# Altium PCB PCB_UDC_PlacaControle_V2.0.PcbDoc (part 3 of 7) (continued)
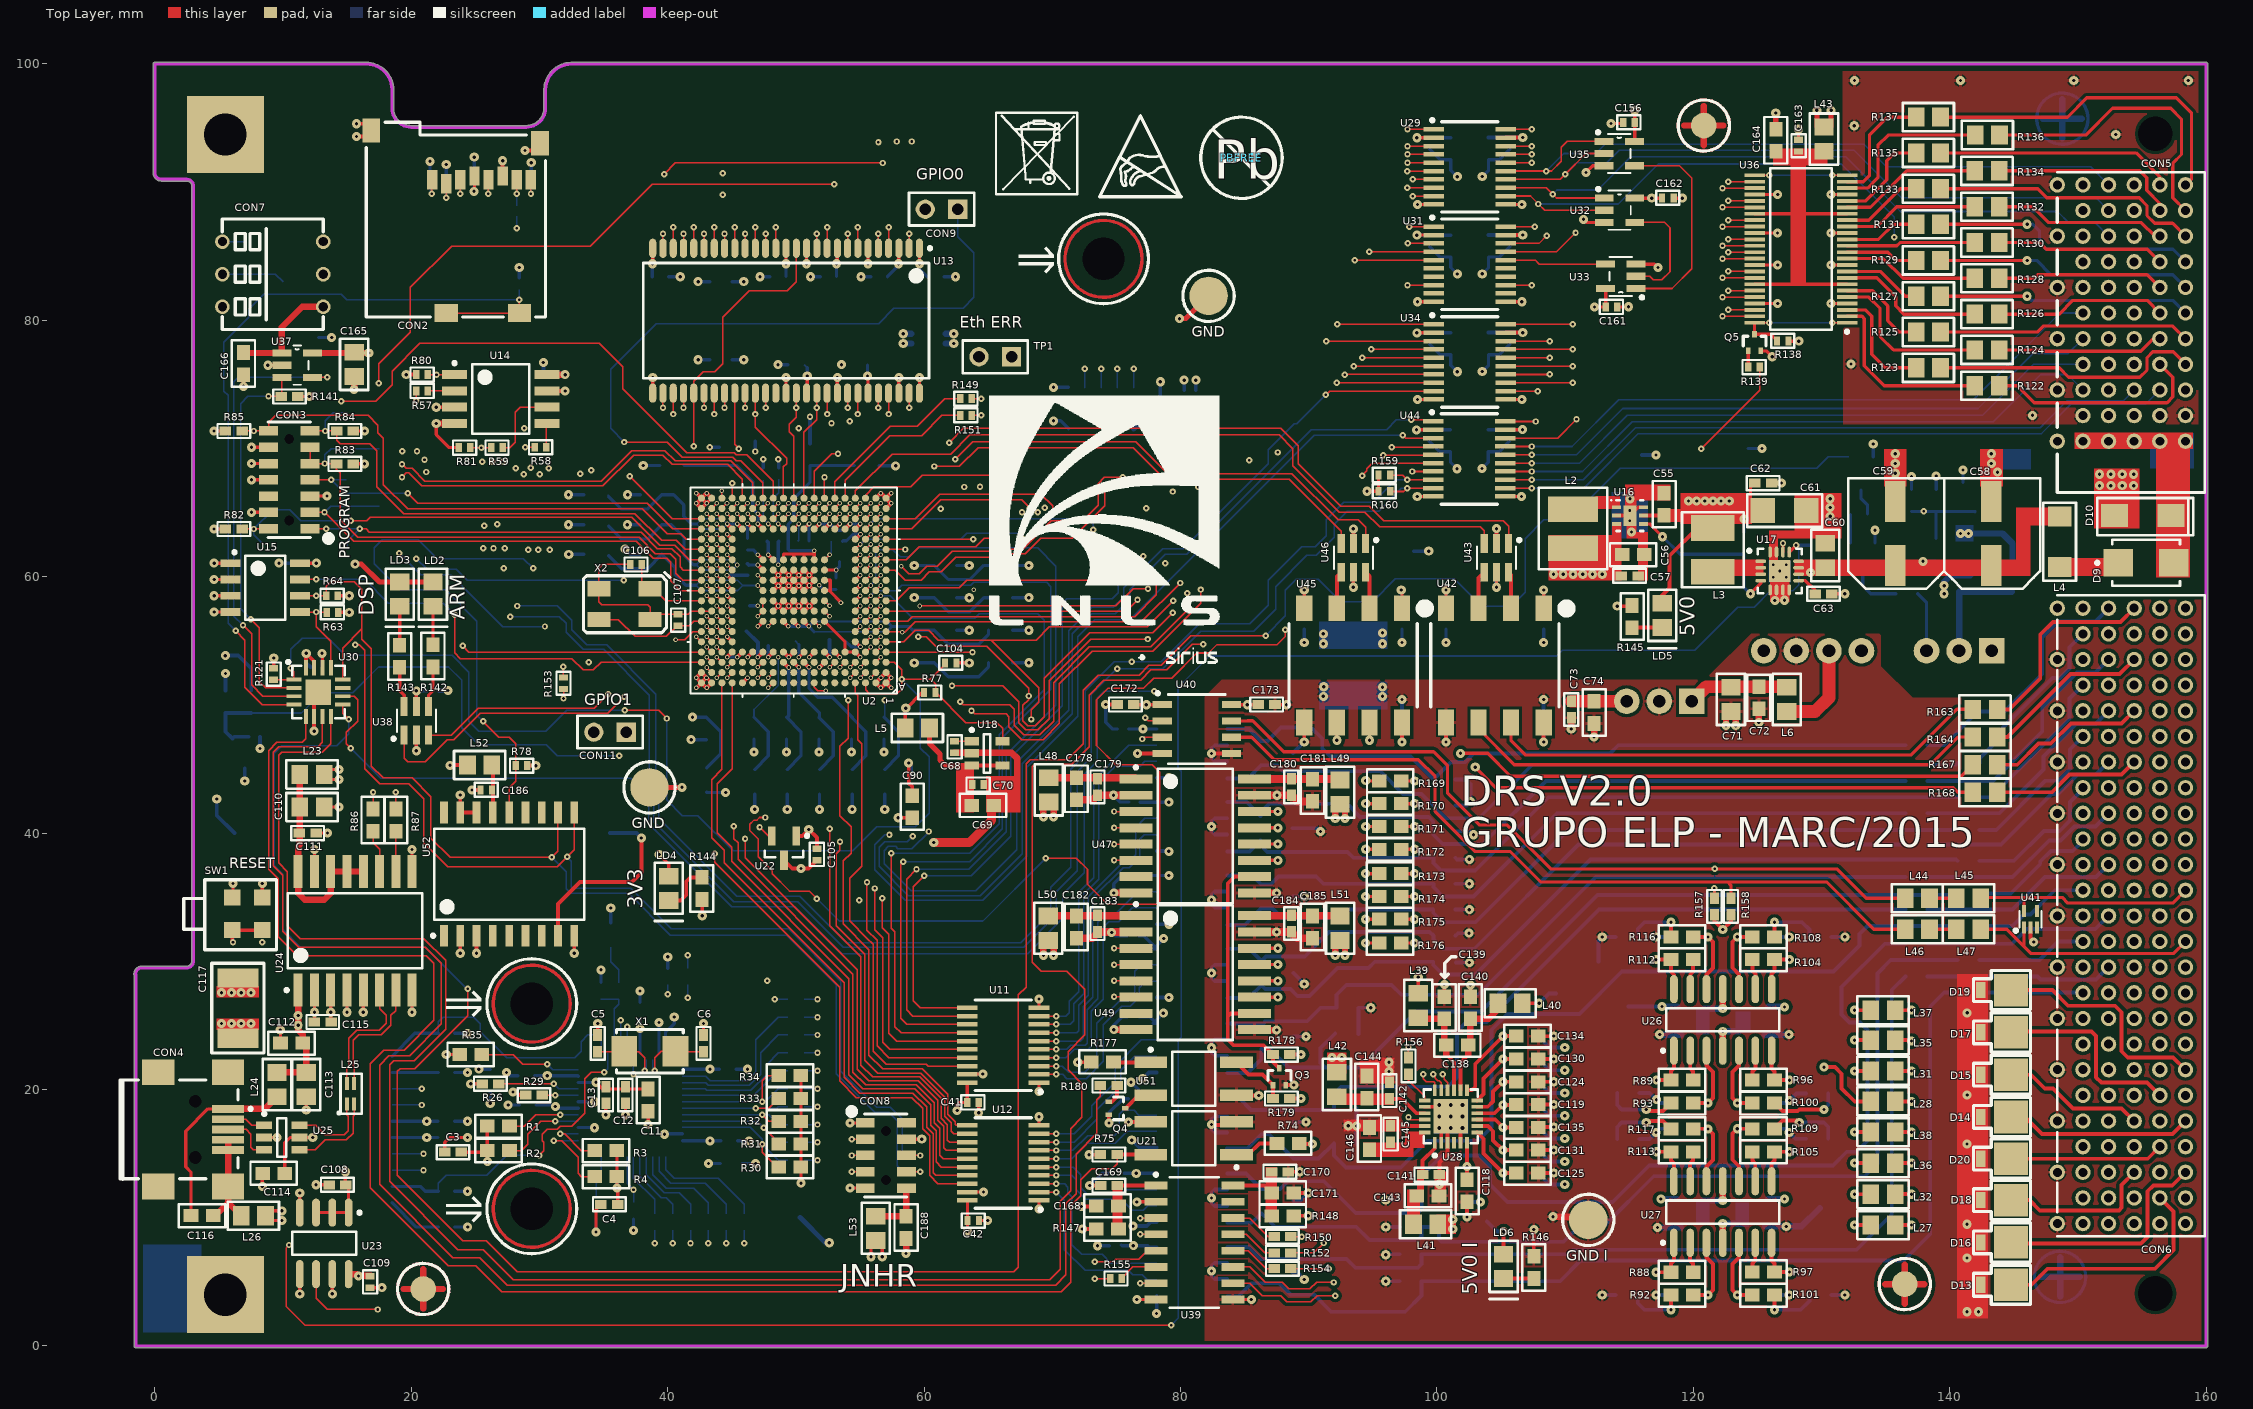
[diagram p0: Top Layer view]
## Nets (pads, with @x,y where several pads share a name; then routed paths per layer and width w, separated by ;. In a path a pad name is that pad's centre, name@x,y a point inside that pad or via, vN(x,y) a via of type N, cw(c..) or ccw(c..) an arc to the next point about the centre after c; other vN are vias at no path point) (continued)
  Bottom Layer w0.5: D8.3@88.779,5.842 D8.3@89.001,5.842 ; v1(89.662,28.233) v1@89.662,28.235 ; v1(117.221,9.239) C129.2@119.02,9.239 ; v1(117.383,24.287) C123.2@119.054,24.287 ; C122.1@125.577,24.287 v1(127.458,24.287) ; C128.1@125.603,9.327 v1(127.254,9.327) 128.453,9.327 pad.0@129.87,10.744
  other v1: 141.355,2.671 142.244,2.671 131.826,3.971 82.42,5.842 141.359,6.862 96.012,7.112 141.363,9.498 82.42,11.547 100.208,12.611 141.359,15.752 93.091,17.175 82.42,17.272 89.789,17.473 141.367,19.577 96.266,21.413 96.266,22.128 82.42,23.258 109.12,24.181 141.367,25.986 82.42,29.083 82.42,34.798 82.42,40.513 91.149,50.673 95.758,50.673 95.758,51.389 91.177,51.425
GND_OSC: C106.1 C107.1 U2.H18 U2.H19 X2.2 X2.4 | length 15.2
  Top Layer w0.102: C106.1@37.084,60.96 34.925,60.96 34.633,60.668 X2.2@34.633,59.064 34.633,58.051 34.874,57.81 38.43,57.81 38.633,57.607 38.633,57.074 C107.1@40.818,57.074 41.605,57.074 41.859,57.328 U2.H18@43.435,57.328
  Top Layer w0.3: X2.4@38.633,56.664 X2.4@38.633,57.074
GND_SH: CON1.Shield pad.SH
GPDI1: U3.7 U11.9 | length 27.4
  Top Layer w0.102: U11.9@68.967,25.734 v2(70.307,25.734)
  Bottom Layer w0.102: v2(70.307,25.734) 71.069,25.734 71.323,25.988 71.323,26.873 72.085,27.635 72.085,35.382 73.228,36.525 73.228,44.12 75.971,46.863 U3.7@78.149,46.863
GPDI1_ISO: CON6.D1 R39.2 | length 20.2
  Bottom Layer w0.3: R39.2@138.277,46.863 139.573,46.863 142.199,49.489 144.288,49.489 147.224,52.424 147.224,55.276 148.463,56.515 151.368,56.515 CON6.D1@152.4,57.547
GPDI1B: U2.J1 U11.11 | length 66.9
  Top Layer w0.102: U2.J1@57.035,58.128 57.823,58.128 58.826,59.131 62.738,59.131 63.348,59.741 v2(75.159,59.741) ; v2(60.02,36.678) 59.157,35.814 59.157,26.924 59.696,26.384 U11.11@63.367,26.384
  Bottom Layer w0.102: v2(60.02,36.678) 63.678,36.678 66.751,39.751 66.751,45.923 70.764,49.936 70.764,57.887 71.145,58.268 74.676,58.268 75.159,58.75 v2(75.159,59.741)
GPDI2: U3.6 U11.8 | length 27.4
  Top Layer w0.102: U11.8@68.967,25.084 v2(70.307,25.084)
  Bottom Layer w0.102: v2(70.307,25.084) 71.413,25.084 71.679,25.35 71.679,26.695 72.466,27.483 72.466,35.255 73.609,36.398 73.609,43.942 74.905,45.237 76.871,45.237 77.227,45.593 U3.6@78.149,45.593
GPDI2_ISO: CON6.E2 R41.2 | length 13.8
  Bottom Layer w0.3: R41.2@142.341,45.466 142.341,45.821 144.094,47.574 144.094,48.17 148.019,52.095 148.615,52.095 149.352,52.832 149.352,54.499 CON6.E2@150.4,55.547
GPDI2B: U2.K3 U11.12 | length 65.4
  Top Layer w0.102: U2.K3@55.435,58.928 v3(55.828,59.321) ; v2(59.411,37.186) 58.649,36.424 58.649,26.213 59.127,25.734 U11.12@63.367,25.734
  Bottom Layer w0.102: v3(55.828,59.321) 56.223,59.716 56.223,61.963 56.381,62.121 57.549,62.121 58.126,61.544 58.826,61.544 59.538,62.255 68.859,62.255 70.282,60.833 70.282,49.987 66.421,46.126 66.421,40.107 63.5,37.186 v2(59.411,37.186)
GPDI3: U4.7 U11.7 | length 23
  Top Layer w0.102: U11.7@68.967,24.434 v2(70.307,24.434)
  Bottom Layer w0.102: v2(70.307,24.434) 71.907,24.434 72.06,24.587 72.06,26.594 72.822,27.356 72.822,35.052 75.362,37.592 75.794,37.592 76.505,38.303 76.505,40.437 77.216,41.148 U4.7@78.149,41.148
GPDI3_ISO: CON6.D3 R40.2 | length 19.2
  Bottom Layer w0.3: R40.2@138.277,44.078 143.375,44.078 147.224,47.927 147.224,49.815 149.939,52.53 151.383,52.53 CON6.D3@152.4,53.547
GPDI3B: U2.J3 U11.13 | length 62.2
  Top Layer w0.102: U2.J3@55.435,58.128 v3(55.828,58.521) ; v2(58.369,37.77) 58.166,37.567 58.166,25.578 58.66,25.084 U11.13@63.367,25.084
  Bottom Layer w0.102: v3(55.828,58.521) 56.209,58.903 57.836,58.903 58.268,59.334 63.652,59.334 63.881,59.563 69.571,59.563 69.901,59.233 69.901,51.232 66.116,47.447 66.116,40.335 63.551,37.77 v2(58.369,37.77)
GPDI4: U4.6 U11.6 | length 22.6
  Top Layer w0.102: U11.6@68.967,23.784 v2(70.307,23.784)
  Bottom Layer w0.102: v2(70.307,23.784) 72.197,23.784 72.415,24.003 72.415,26.441 73.177,27.203 73.177,34.95 75.54,37.313 75.988,37.313 76.81,38.135 76.81,39.522 77.165,39.878 U4.6@78.149,39.878
GPDI4_ISO: CON6.E4 R42.2 | length 12.6
  Bottom Layer w0.3: R42.2@142.341,42.799 143.224,42.799 149.352,48.927 149.352,50.499 CON6.E4@150.4,51.547
GPDI4B: U2.J2 U11.14 | length 60.6
  Top Layer w0.102: U2.J2@56.235,58.128 v3(56.628,58.521) ; v2(57.455,38.43) 57.455,32.599 57.734,32.319 57.734,24.917 58.217,24.434 U11.14@63.367,24.434
  Bottom Layer w0.102: v3(56.628,58.521) 57.354,58.521 59.106,56.769 63.957,56.769 64.313,57.125 68.883,57.125 69.393,56.614 69.393,51.206 65.862,47.676 65.862,40.716 63.576,38.43 v2(57.455,38.43)
GPDI5: U5.7 U11.5 | length 19.3
  Top Layer w0.102: U11.5@68.967,23.134 v2(70.307,23.134)
  Bottom Layer w0.102: v2(70.307,23.134) 71.115,23.134 71.45,23.47 72.593,23.47 72.721,23.597 72.721,26.239 73.558,27.076 73.558,33.071 74.193,33.706 74.955,33.706 76.683,35.433 U5.7@78.149,35.433
GPDI5_ISO: CON6.D5 R43.2 | length 18
  Bottom Layer w0.3: R43.2@138.277,41.555 143.891,41.555 147.315,44.978 147.315,45.969 149.86,48.514 151.367,48.514 CON6.D5@152.4,49.547
GPDI5B: U2.B2 U11.15 | length 35.3
  Top Layer w0.102: v3(55.842,52.135) U2.B2@56.235,52.528 ; v2(56.744,34.925) 56.744,32.614 57.258,32.099 57.258,24.378 57.851,23.784 U11.15@63.367,23.784
  Signal 2 w0.102: v3(55.842,52.135) 55.842,49.619 56.286,49.174 56.286,36.881 56.744,36.424 v2(56.744,34.925)
GPDI6: U5.6 U11.4 | length 18.9
  Top Layer w0.102: U11.4@68.967,22.484 v2(70.307,22.484)
  Bottom Layer w0.102: v2(70.307,22.484) 71.049,22.484 71.704,23.139 72.796,23.139 73.05,23.393 73.05,26.111 73.965,27.026 73.965,32.639 74.422,33.096 75.184,33.096 76.251,34.163 U5.6@78.149,34.163
GPDI6_ISO: CON6.E6 R45.2 | length 12
  Bottom Layer w0.3: R45.2@142.341,40.259 143.637,40.259 147.473,44.095 148.473,44.095 149.403,45.025 149.403,46.55 CON6.E6@150.4,47.547
GPDI6B: U2.C3 U11.16 | length 37.4
  Top Layer w0.102: v3(55.042,52.935) U2.C3@55.435,53.328 ; v2@56.109,35.636 v2(56.159,35.687) 56.159,32.461 56.769,31.852 56.769,23.685 57.319,23.134 U11.16@63.367,23.134
  Signal 2 w0.102: v3(55.042,52.935) 55.435,52.542 55.435,49.442 55.931,48.946 55.931,36.652 56.159,36.424 v2(56.159,35.687)
GPDI7: U6.7 U11.3 | length 15.6
  Top Layer w0.102: U11.3@68.967,21.834 v2(70.307,21.834)
  Bottom Layer w0.102: v2(70.307,21.834) 70.774,21.834 71.272,21.336 72.517,21.336 73.482,22.301 73.482,25.171 75.209,26.899 75.971,26.899 76.454,27.381 76.454,29.235 76.937,29.718 U6.7@78.149,29.718
GPDI7_ISO: CON6.D7 R44.2 | length 16.8
  Bottom Layer w0.3: R44.2@138.302,39.116 144.018,39.116 147.955,43.053 148.463,43.053 149.987,44.577 151.43,44.577 CON6.D7@152.4,45.547
GPDI7B: U2.B3 U11.17 | length 37.2
  Top Layer w0.102: v3(55.042,52.135) U2.B3@55.435,52.528 ; v2(55.55,36.17) 55.55,32.436 56.337,31.648 56.337,23.405 57.258,22.484 U11.17@63.367,22.484
  Signal 2 w0.102: v3(55.042,52.135) 55.042,49.186 55.55,48.678 v2(55.55,36.17)
GPDI8: U6.6 U11.2 | length 14.6
  Top Layer w0.102: U11.2@68.967,21.184 v2(70.307,21.184)
  Bottom Layer w0.102: v2(70.307,21.184) 70.815,21.184 71.145,20.853 72.648,20.853 73.99,22.196 73.99,25.07 75.413,26.492 76.073,26.492 76.77,27.189 76.77,27.951 77.267,28.448 U6.6@78.149,28.448
GPDI8_ISO: CON6.E8 R46.2 | length 11.3
  Bottom Layer w0.3: R46.2@142.341,37.846 145.034,37.846 147.371,40.183 148.591,40.183 149.403,40.994 149.403,42.441 150.4,43.438 CON6.E8@150.4,43.547
GPDI8B: U2.A4 U11.18 | length 37.9
  Top Layer w0.102: U2.A4@54.635,51.728 54.635,50.928 54.813,50.749 54.813,47.295 55.143,46.965 55.143,37.414 54.204,36.474 54.204,33.158 55.55,31.812 56.032,31.33 56.032,22.987 57.048,21.971 60.173,21.971 60.309,21.834 U11.18@63.367,21.834
GPDI9: U7.7 U12.9 | length 13.4
  Top Layer w0.102: U12.9@68.967,16.55 v2(70.307,16.55)
  Bottom Layer w0.102: v2(70.307,16.55) 71.719,16.55 73.076,17.907 73.076,18.728 74.905,20.557 74.905,21.819 76.962,23.876 U7.7@78.149,23.876
GPDI9_ISO: CON6.D9 R47.2 | length 16.2
  Bottom Layer w0.3: R47.2@138.277,36.576 144.907,36.576 147.767,39.436 148.656,39.436 149.742,40.522 151.375,40.522 CON6.D9@152.4,41.547
GPDI9B: U2.C4 U12.11 | length 43.8
  Top Layer w0.102: v2(54.077,50.38) 54.077,47.396 53.442,46.761 53.442,41.351 54.305,40.488 54.305,38.443 53.696,37.833 53.696,32.918 55.702,30.912 55.702,22.682 56.769,21.615 59.868,21.615 61.849,19.634 61.849,18.085 62.433,17.501 62.433,17.297 62.531,17.2 U12.11@63.367,17.2 ; v3(54.242,52.935) U2.C4@54.635,53.328
  Signal 1 w0.102: v2(54.077,50.38) 54.077,51.435 53.823,51.689 53.823,52.516 v3(54.242,52.935)
GPDI10: U7.6 U12.8 | length 13.1
  Top Layer w0.102: U12.8@68.967,15.9 v2(70.307,15.9)
  Bottom Layer w0.102: v2(70.307,15.9) 71.704,15.9 73.482,17.678 73.482,18.415 75.336,20.269 75.336,21.514 76.429,22.606 U7.6@78.149,22.606
GPDI10_ISO: CON6.E10 R49.2 | length 10
  Bottom Layer w0.3: R49.2@142.341,35.306 144.77,35.306 147.073,37.609 147.073,37.784 147.897,38.608 149.606,38.608 150.4,39.402 CON6.E10@150.4,39.547
GPDI10B: U2.C5 U12.12 | length 43.9
  Top Layer w0.102: v2(53.442,39.319) 53.442,38.672 53.162,38.392 53.162,32.779 55.372,30.569 55.372,22.29 56.377,21.285 59.728,21.285 61.608,19.406 61.608,17.92 62.128,17.399 62.128,16.739 62.317,16.55 U12.12@63.367,16.55 ; v3(53.442,52.935) U2.C5@53.835,53.328
  Signal 2 w0.102: v2(53.442,39.319) v3(53.442,52.935)
GPDI11: U8.7 U12.7 | length 11.4
  Top Layer w0.102: U12.7@68.967,15.25 v2(70.307,15.25)
  Bottom Layer w0.102: v2(70.307,15.25) 71.612,15.25 72.771,16.408 74.828,16.408 75.209,16.789 75.209,18.059 75.54,18.39 76.378,18.39 76.759,18.009 U8.7@78.136,18.009
GPDI11_ISO: CON6.D11 R48.2 | length 15.6
  Bottom Layer w0.3: R48.2@138.277,34.05 144.915,34.05 147.441,36.576 151.429,36.576 CON6.D11@152.4,37.547
GPDI11B: U2.C6 U12.13 | length 45
  Top Layer w0.102: v2(52.642,40.361) 52.642,32.779 55.079,30.342 55.079,21.883 55.982,20.98 59.665,20.98 61.328,19.317 61.328,17.767 61.824,17.272 61.824,16.066 61.989,15.9 U12.13@63.367,15.9 ; v3(52.642,52.935) U2.C6@53.035,53.328
  Signal 2 w0.102: v2(52.642,40.361) v3(52.642,52.935)
GPDI12: U8.6 U12.6 | length 10.1
  Top Layer w0.102: U12.6@68.967,14.6 v2(70.307,14.6)
  Bottom Layer w0.102: v2(70.307,14.6) 71.521,14.6 72.746,15.824 74.93,15.824 75.844,16.739 U8.6@78.136,16.739
GPDI12_ISO: CON6.E12 R50.2 | length 9.2
  Bottom Layer w0.3: R50.2@142.341,32.766 144.915,32.766 145.804,33.655 146.306,33.655 148.198,35.547 CON6.E12@150.4,35.547
GPDI12B: U2.C16 U12.14 | length 49.2
  Top Layer w0.102: v3(44.642,52.935) U2.C16@45.035,53.328 ; v2(46.037,39.573) 46.037,38.088 54.788,29.337 54.788,21.59 55.702,20.676 59.538,20.676 61.062,19.152 61.062,17.602 61.519,17.145 61.519,15.469 61.738,15.25 U12.14@63.367,15.25
  Signal 2 w0.102: v3(44.642,52.935) 45.085,52.491 45.085,44.399 45.517,43.967 45.517,41.224 46.037,40.704 v2@46.037,39.547
GPDI13: U9.7 U12.5 | length 10.8
  Top Layer w0.102: U12.5@68.967,13.95 v2(70.307,13.95)
  Bottom Layer w0.102: v2(70.307,13.95) 71.633,13.95 72.212,13.37 72.212,12.344 72.721,11.836 75.389,11.836 75.745,12.192 U9.7@78.149,12.192
GPDI13_ISO: CON6.D13 R51.2 | length 15
  Bottom Layer w0.3: R51.2@138.273,31.369 144.871,31.369 146.014,32.512 151.365,32.512 CON6.D13@152.4,33.547
GPDI13B: U2.B16 U12.15 | length 49.3
  Top Layer w0.102: v3(44.642,52.135) U2.B16@45.035,52.528 ; v2(45.161,40.538) 45.161,39.573 45.491,39.243 45.491,37.973 54.458,29.007 54.458,21.361 55.448,20.371 59.411,20.371 60.808,18.974 60.808,17.424 61.239,16.992 61.239,14.859 61.499,14.6 U12.15@63.367,14.6
  Signal 2 w0.102: v3(44.642,52.135) 44.642,44.246 45.161,43.727 v2(45.161,40.538)
GPDI14: U9.6 U12.4 | length 10.9
  Top Layer w0.102: U12.4@68.967,13.3 v2(70.307,13.3)
  Bottom Layer w0.102: v2(70.307,13.3) 71.536,13.3 71.857,12.979 71.857,12.167 72.595,11.428 75.389,11.428 76.225,10.592 77.114,10.592 77.445,10.922 U9.6@78.149,10.922
GPDI14_ISO: CON6.E14 R53.2 | length 8.7
  Bottom Layer w0.3: R53.2@142.341,30.099 147.015,30.099 148.463,31.547 CON6.E14@150.4,31.547
GPDI14B: U2.A16 U12.16 | length 49.9
  Top Layer w0.102: U2.A16@45.035,51.728 45.035,45.035 43.866,43.866 43.866,40.03 44.983,38.913 44.983,37.795 54.127,28.651 54.127,21.158 55.22,20.066 59.284,20.066 60.528,18.821 60.528,17.221 60.96,16.789 60.96,14.351 61.361,13.95 U12.16@63.367,13.95
GPDI15: U10.7 U12.3 | length 14.2
  Top Layer w0.102: U12.3@68.967,12.65 v2(70.307,12.65)
  Bottom Layer w0.102: v2(70.307,12.65) 70.967,12.65 71.222,12.395 71.222,11.946 71.521,11.646 71.521,7.905 72.288,7.137 73.889,7.137 74.575,6.451 U10.7@78.149,6.451
GPDI15_ISO: CON6.D15 R52.2 | length 14.6
  Bottom Layer w0.3: R52.2@138.273,28.829 146.843,28.829 147.097,28.575 151.428,28.575 CON6.D15@152.4,29.547
GPDI15B: U2.A17 U12.17 | length 50.9
  Top Layer w0.102: U2.A17@44.235,51.728 44.235,44.971 43.434,44.171 43.434,39.624 44.399,38.659 44.399,37.694 53.772,28.321 53.772,20.949 54.989,19.732 59.135,19.732 60.198,18.669 60.198,17.069 60.706,16.561 60.706,13.513 60.919,13.3 U12.17@63.367,13.3
GPDI16: U10.6 U12.2 | length 14.3
  Top Layer w0.102: U12.2@68.967,12 v2(70.307,12)
  Bottom Layer w0.102: v2(70.307,12) 70.942,11.365 70.942,7.518 72.568,5.893 75.921,5.893 76.276,5.537 77.038,5.537 77.395,5.181 U10.6@78.149,5.181
GPDI16_ISO: CON6.E16 R54.2 | length 8.1
  Bottom Layer w0.3: R54.2@142.341,27.572 150.375,27.572 CON6.E16@150.4,27.547
GPDI16B: U2.B17 U12.18 | length 55.6
  Top Layer w0.102: v2(43.663,38.379) 43.663,37.719 53.416,27.965 53.416,20.676 54.712,19.38 59.055,19.38 59.893,18.542 59.893,16.942 60.427,16.408 60.427,13.31 61.086,12.65 U12.18@63.367,12.65 ; v3(43.842,52.135) U2.B17@44.235,52.528
  Signal 1 w0.102: v2(43.663,38.379) 43.409,38.633 43.409,43.129 40.996,45.542 40.996,49.829 41.331,50.165 43.509,50.165 43.842,50.497 v3(43.842,52.135)
GPDO1: U2.V5 U43.1 | length 60.4
  Top Layer w0.102: U2.V5@53.835,65.328 v3(54.228,65.721) ; v2(61.951,70.46) 63.068,71.577 87.808,71.577 89.179,70.206 89.179,68.834 92.507,65.507 94.732,65.507 95.868,64.37 105.175,64.37 105.598,63.947 U43.1@105.598,62.586
  Signal 2 w0.102: v3(54.228,65.721) 54.228,66.979 57.048,69.799 61.29,69.799 v2(61.951,70.46)
GPDO1_ISO: CON6.C1 R163.2 | length 16
  Top Layer w0.3: R163.2@143.706,49.657 144.653,49.657 147.073,52.077 147.073,55.489 148.057,56.473 153.326,56.473 CON6.C1@154.4,57.547
GPDO2: U2.W4 U43.3 | length 56.3
  Top Layer w0.102: U2.W4@54.635,66.128 54.635,66.7 57.506,69.571 61.341,69.571 62.078,69.571 63.576,71.069 87.706,71.069 88.773,70.002 88.773,68.656 92.38,65.049 94.386,65.049 95.529,63.906 103.378,63.906 103.698,63.586 U43.3@103.698,62.586
GPDO2_ISO: CON6.C3 R164.2 | length 13.2
  Top Layer w0.3: R164.2@143.707,47.498 144.514,47.498 149.422,52.405 153.258,52.405 CON6.C3@154.4,53.547
GPDO3: U2.U5 U46.1 | length 48.1
  Top Layer w0.102: U2.U5@53.835,64.528 v3(54.228,64.921) ; v2(62.433,69.164) 63.812,70.543 76.523,70.543 79.019,68.047 88.697,68.047 92.304,64.44 93.878,64.44 94.438,63.88 U46.1@94.438,62.586
  Signal 2 w0.102: v3(54.228,64.921) 54.635,65.329 54.635,66.65 57.315,69.329 59.144,69.329 59.309,69.164 v2(62.433,69.164)
GPDO3_ISO: CON6.C5 R167.2 | length 12.4
  Top Layer w0.3: R167.2@143.706,45.339 145.275,45.339 146.926,46.99 147.891,46.99 149.457,48.556 153.409,48.556 CON6.C5@154.4,49.547
GPDO4: U2.V4 U46.3 | length 44
  Top Layer w0.102: U2.V4@54.635,65.328 v3(55.028,65.721) ; v2(60.808,68.605) 62.763,68.605 64.237,70.079 76.302,70.079 78.765,67.615 88.494,67.615 92.538,63.57 U46.3@92.538,62.586
  Signal 2 w0.102: v3(55.028,65.721) 55.028,66.458 56.54,67.97 58.648,67.97 59.283,68.605 v2(60.808,68.605)
GPDO4_ISO: CON6.C7 R168.2 | length 11.7
  Top Layer w0.3: R168.2@143.707,43.188 147.976,43.188 149.352,44.564 153.409,44.564 154.392,45.547 CON6.C7@154.4,45.547
GPIO0: CON9.1 U2.W13 | length 57.5
  Top Layer w0.102: v2(36.627,70.51) 39.98,70.51 41.148,69.342 45.06,69.342 45.339,69.063 45.72,69.063 47.435,67.348 U2.W13@47.435,66.128
  Bottom Layer w0.102: v2(36.627,70.51) 35.56,71.577 35.56,76.2 39.116,79.756 56.457,79.756 57.651,80.95 63.043,80.95 63.881,81.788 63.881,85.276 62.636,86.521
  Bottom Layer w0.127: 62.636,86.521 CON9.1@62.636,88.671
GPIO1: CON11.1 U2.B18 | length 10.1
  Top Layer w0.102: v3(43.042,52.921) U2.B18@43.435,52.528
  Signal 2 w0.102: 37.694,48.793 37.694,50.775 38.684,51.765 40.157,51.765 41.313,52.921 v3(43.042,52.921)
  Signal 2 w0.127: CON11.1@36.779,47.879 37.694,48.793
GPIO_CONFIG: U2.M3 U44.6 | length 47.9
  Top Layer w0.102: U2.M3@55.435,60.528 v3(55.828,60.921) ; v2(94.183,67.894) 94.544,68.255 94.544,68.433 94.976,68.865 U44.6@99.74,68.865
  Signal 1 w0.102: v2(77.318,65.354) 82.067,65.354 83.896,67.183 90.551,67.183 91.262,67.894 v2(94.183,67.894)
  Signal 2 w0.102: v3(55.828,60.921) 56.222,61.316 58.674,61.316 58.776,61.417 59.69,61.417 60.096,61.824 65.787,61.824 67.844,63.881 70.956,63.881 72.429,65.354 v2(77.318,65.354)
GPIO_CONFIG_5V: CON5.E8 U44.15 | length 48.3
  Top Layer w0.127: U44.15@105.34,68.865 v2(107.391,68.865)
  Bottom Layer w0.127: v2(107.391,68.865) 111.13,68.865 114.859,72.593 142.57,72.593 146.549,76.572 CON5.E8@150.4,76.572
GPIO_CS1: U2.K2 U44.4 | length 48.3
  Top Layer w0.102: U2.K2@56.235,58.928 v3(56.628,59.321) ; v2(96.495,70.104) U44.4@99.679,70.104
  Signal 1 w0.102: v2(81.382,67.005) 82.804,68.428 90.068,68.428 91.745,70.104 v2(96.495,70.104)
  Signal 2 w0.102: v3(56.628,59.321) 60.083,59.321 60.579,59.817 64.338,59.817 64.44,59.919 69.567,59.919 69.999,60.35 73.609,60.35 77.062,63.803 78.637,63.803 81.371,66.537 v2@81.371,67.016
GPIO_CS1_5V: CON5.E6 U44.17 | length 49.4
  Top Layer w0.127: U44.17@105.34,70.165 v2(107.391,70.165)
  Bottom Layer w0.127: v2(107.391,70.165) 110.551,70.165 114.198,73.812 141.851,73.812 148.611,80.572 CON5.E6@150.4,80.572
GPIO_CS2: U2.L3 U44.5 | length 48.9
  Top Layer w0.102: U2.L3@55.435,59.728 v3(55.828,60.121) ; v2(95.834,69.469) U44.5@99.694,69.469
  Signal 1 w0.102: v2(79.4,66.65) 79.934,66.65 80.289,66.294 82.118,66.294 83.591,67.767 90.399,67.767 92.1,69.469 v2(95.834,69.469)
  Signal 2 w0.102: v3(55.828,60.121) 56.21,60.503 57.805,60.503 58.186,60.122 59.538,60.122 60.884,61.468 66.878,61.468 68.961,63.551 71.222,63.551 71.988,64.317 76.026,64.317 76.479,64.77 77.521,64.77 v2(79.4,66.65)
GPIO_CS2_5V: CON5.E7 U44.16 | length 48.8
  Top Layer w0.127: U44.16@105.34,69.515 v2(107.391,69.515)
  Bottom Layer w0.127: v2(107.391,69.515) 110.891,69.515 114.503,73.127 142.215,73.127 146.482,77.394 149.222,77.394 CON5.E7@150.4,78.572
HRADC_INT_STS: U2.D17 U31.5 | length 137.6
  Top Layer w0.102: v3(43.842,54.521) U2.D17@44.235,54.128 ; v2(93.594,84.704) U31.5@99.765,84.704
  Signal 1 w0.102: v2(25.527,68.961) 25.527,69.24 26.264,69.977 26.264,70.942 27.889,72.568 27.889,76.708 31.496,80.315 31.496,91.542 37.059,97.104 57.988,97.104 60.858,94.234 77.064,94.234 86.594,84.704 v2(93.594,84.704) ; v2(25.629,62.23) 25.629,54.118 26.127,53.619 33.579,53.619 v2(33.858,53.34)
  Signal 2 w0.102: v2(25.527,68.961) 25.527,66.319 27.635,64.211 27.635,63.5 27.407,63.271 26.238,63.271 25.629,62.662 v2(25.629,62.23) ; v2(33.858,53.34) 34.366,53.848 41.217,53.848 41.497,54.127 43.448,54.127 v3(43.842,54.521)
HRADC_INT_STS_5V: U31.16 U33.4 | length 7.9
  Top Layer w0.127: U31.16@105.365,84.704 107.676,84.704 107.992,84.388 U33.4@113.157,84.388
HRADC_RESET: U30.8 U44.7 | length 201.1
  Top Layer w0.102: U30.8@13.726,49.103 13.726,46.983 13.047,46.304 9.881,46.304 9.652,46.076 9.652,37.694 10.338,37.008 10.338,32.791 11.354,31.775 20.98,31.775 22.682,30.074 22.682,24.714 20.218,22.25 18.644,22.25 18.313,21.92 18.313,12.842 23.637,7.518 25.603,7.518 27.94,5.182 69.799,5.182 70.612,5.994 70.612,11.278 71.425,12.09 71.425,16.942 72.314,17.831 72.314,20.472 71.247,21.539 71.247,22.962 72.542,24.257 72.542,27.838 71.145,29.235 69.139,29.235 68.453,29.921 68.453,45.187 68.656,45.39 71.526,45.39 72.873,46.736 72.873,50.775 74.016,51.918 76.886,51.918 77.699,52.73 78.918,52.73 80.924,54.737 v2(81.788,54.737)
  Top Layer w0.127: v2(98.069,68.215) U44.7@99.74,68.215
  Signal 2 w0.102: v2(81.788,54.737) 82.296,54.737 84.938,57.379 94.337,57.379 96.368,59.409 96.368,67.564 97.018,68.215 v2(98.069,68.215)
HRADC_RESET_5V: CON5.E9 U44.14 | length 48.7
  Top Layer w0.127: U44.14@105.34,68.215 v2(107.391,68.215)
  Bottom Layer w0.127: v2(107.391,68.215) 111.369,68.215 115.24,72.085 143.407,72.085 147.106,75.784 149.188,75.784 CON5.E9@150.4,74.572
I2C_INT-CLK: CON8.8 R64.2 U2.L17 U15.6 U30.12 U52.11 | length 126.9
  Top Layer w0.102: U15.6@11.311,58.522 v2(12.598,58.522) R64.2@13.375,58.521 13.375,59.247 13.741,59.614 15.57,59.614 16.154,59.03 16.154,55.118 16.891,54.381 16.891,45.237 17.805,44.323 20.066,44.323 21.539,42.85 21.539,39.623 23.037,38.125 v2(30.963,38.125) 31.445,38.608 U52.11@31.445,41.605 ; U30.12@14.651,51.978 14.651,54.427 16.154,55.931 ; v3(43.842,60.121) U2.L17@44.235,59.728 ; CON8.8@58.638,13.589 v2(59.69,13.589)
  Signal 2 w0.102: v2(12.598,58.522) 13.284,59.207 15.672,59.207 16.053,58.826 39.091,58.826 39.98,59.715 43.436,59.715 v3(43.842,60.121)
  Bottom Layer w0.102: v2(30.963,38.125) 32.106,36.982 32.106,35.649 32.449,35.306 36.957,35.306 40.208,32.055 49.276,32.055 53.137,28.194 53.137,21.218 56.143,18.212 57.261,18.212 57.912,17.561 57.912,14.072 58.395,13.589 v2(59.69,13.589)
I2C_INT-SDA: CON8.6 R63.2 U2.J17 U15.5 U30.13 U52.10 | length 124.3
  Top Layer w0.102: U15.5@11.311,57.252 v2(12.598,57.252) ; R63.2@13.36,57.252 v2(12.598,57.252) ; U30.13@13.726,52.903 13.726,54.956 12.598,56.083 v2(12.598,57.252) ; v2(15.621,54.712) 15.926,54.712 16.383,54.254 16.383,45.009 17.526,43.866 19.787,43.866 20.98,42.672 20.98,39.243 22.835,37.389 31.394,37.389 v2(32.156,38.151) 32.715,38.71 U52.10@32.715,41.605 ; v3(43.842,58.521) U2.J17@44.235,58.128 ; CON8.6@58.638,14.859 v2(59.69,14.859)
  Signal 2 w0.102: v2(15.621,54.712) 14.3,54.712 12.598,56.413 v2(12.598,57.252) 13.259,57.912 15.596,57.912 16.002,58.318 39.268,58.318 39.878,58.928 43.435,58.928 v3(43.842,58.521)
  Bottom Layer w0.102: v2(32.156,38.151) 32.487,37.821 32.487,35.814 32.614,35.687 37.135,35.687 40.284,32.537 49.428,32.537 53.518,28.448 53.518,21.421 56.32,18.618 57.379,18.618 58.293,17.704 58.293,15.138 58.572,14.859 v2(59.69,14.859)
INT_ARM: U2.T18 U34.6 | length 107.1
  Top Layer w0.102: v3(43.042,64.121) U2.T18@43.435,63.728 ; v2(93.523,76.434) U34.6@99.765,76.434
  Signal 1 w0.102: v2(33.198,68.021) 33.198,68.961 34.9,70.663 34.9,89.002 38.938,93.04 54.559,93.04 56.261,91.338 75.108,91.338 89.992,76.454 v2@93.523,76.454
  Signal 2 w0.102: v2(33.198,68.021) 36.043,65.176 38.659,65.176 39.714,64.121 v3(43.042,64.121)
INT_ARM_5V: CON5.D7 U34.15 | length 47.9
  Top Layer w0.127: U34.15@105.371,76.434 v2(110.597,76.434)
  Signal 1 w0.127: v2(110.597,76.434) 129.8,76.434 130.988,77.622 151.45,77.622 CON5.D7@152.4,78.572
INT_C28: U2.U19 U34.8 | length 100.4
  Top Layer w0.102: v2(37.046,67.856) 40.374,64.528 U2.U19@42.635,64.528 ; v2(92.202,75.134) U34.8@99.765,75.134
  Signal 1 w0.102: v2(37.046,67.856) 35.89,69.012 35.89,88.468 39.395,91.973 53.975,91.973 55.702,90.246 74.244,90.246 89.357,75.134 v2(92.202,75.134)
INT_C28_5V: CON5.D9 U34.13 | length 48.1
  Top Layer w0.127: U34.13@105.365,75.134 v2(110.591,75.134)
  Signal 1 w0.127: v2(110.591,75.134) 111.429,75.134 112.979,73.584 151.412,73.584 CON5.D9@152.4,74.572
INT_GENERAL: U2.P18 U34.3 | length 116.5
  Top Layer w0.102: v3(43.042,62.521) U2.P18@43.435,62.128 ; v2(91.386,78.384) U34.3@99.765,78.384
  Signal 1 w0.102: v2(30.023,67.996) 30.023,68.631 30.836,69.444 32.207,69.444 33.934,71.171 33.934,89.713 38.456,94.234 54.889,94.234 56.236,92.888 76.378,92.888 90.885,78.38 91.338,78.38 v2@91.364,78.406
  Signal 2 w0.102: v2(30.023,67.996) 30.023,65.684 31.115,64.592 31.115,63.398 31.992,62.521 36.093,62.521 36.361,62.789 37.008,62.789 37.275,62.521 v3(43.042,62.521)
INT_GENERAL_5V: CON5.C5 U34.18 | length 50.8
  Top Layer w0.127: U34.18@105.365,78.384 v2(108.804,78.384)
  Signal 2 w0.127: v2(108.804,78.384) 127.177,78.384 127.914,79.121 145.136,79.121 146.507,80.493 148.488,80.493 149.581,81.585 153.413,81.585 CON5.C5@154.4,82.572
MCBSP_MCLKX: U2.V17 U29.1 | length 95.4
  Top Layer w0.102: U2.V17@44.235,65.328 v3(44.628,65.721) ; v2(97.714,94.898) U29.1@99.765,94.898
  Signal 1 w0.102: v2(44.298,91.491) 43.79,91.491 43.18,90.881 40.437,90.881 36.601,87.046 36.601,71.488 38.143,69.946 40.442,69.946 43.586,66.802 43.586,66.548 43.967,66.167 44.399,66.167 44.628,65.938 v3(44.628,65.721)
  Signal 2 w0.102: v2(44.298,91.491) 49.53,91.491 55.626,97.587 91.923,97.587 94.611,94.898 v2(97.714,94.898)
MCBSP_MCLKX_5V: CON5.E1 U29.20 | length 47.3
  Top Layer w0.102: U29.20@105.365,94.898 v2(107.417,94.898)
  Signal 2 w0.127: v2(107.417,94.898) 110.112,94.898 110.903,94.107 144.622,94.107 146.578,92.151 149.708,92.151 150.4,91.459 CON5.E1@150.4,90.572
MCBSP_MDR: U2.U17 U29.3 | length 96.1
  Top Layer w0.102: v3(43.842,64.921) U2.U17@44.235,64.528 ; v2(97.714,93.598) U29.3@99.765,93.598
  Signal 2 w0.102: v3(43.842,64.921) 44.235,65.315 44.235,66.116 43.448,66.904 43.435,66.904 43.435,68.128 42.449,69.114 39.96,69.114 36.652,72.422 36.652,87.274 40.437,91.059 43.713,91.059 43.891,90.881 50.267,90.881 56.083,96.698 91.948,96.698 95.047,93.598 v2(97.714,93.598)
MCBSP_MDR_5V: CON5.E2 U29.18 | length 47.1
  Top Layer w0.102: U29.18@105.365,93.598 v2(107.417,93.598)
  Signal 2 w0.127: v2(107.417,93.598) 109.383,93.598 109.718,93.264 143.617,93.264 147.549,89.332 149.64,89.332 CON5.E2@150.4,88.572